# Altium PCB LeVentilateur.PcbDoc (part 1 of 2)
Units mm, origin at the board's own origin, x right, y up, seen from the top; angles counter-clockwise.
Board outline 207.39 x 152.65 mm, 2 copper layers (Top Layer, Bottom Layer); 178 components, 121 nets, 579 pads, 104 vias.
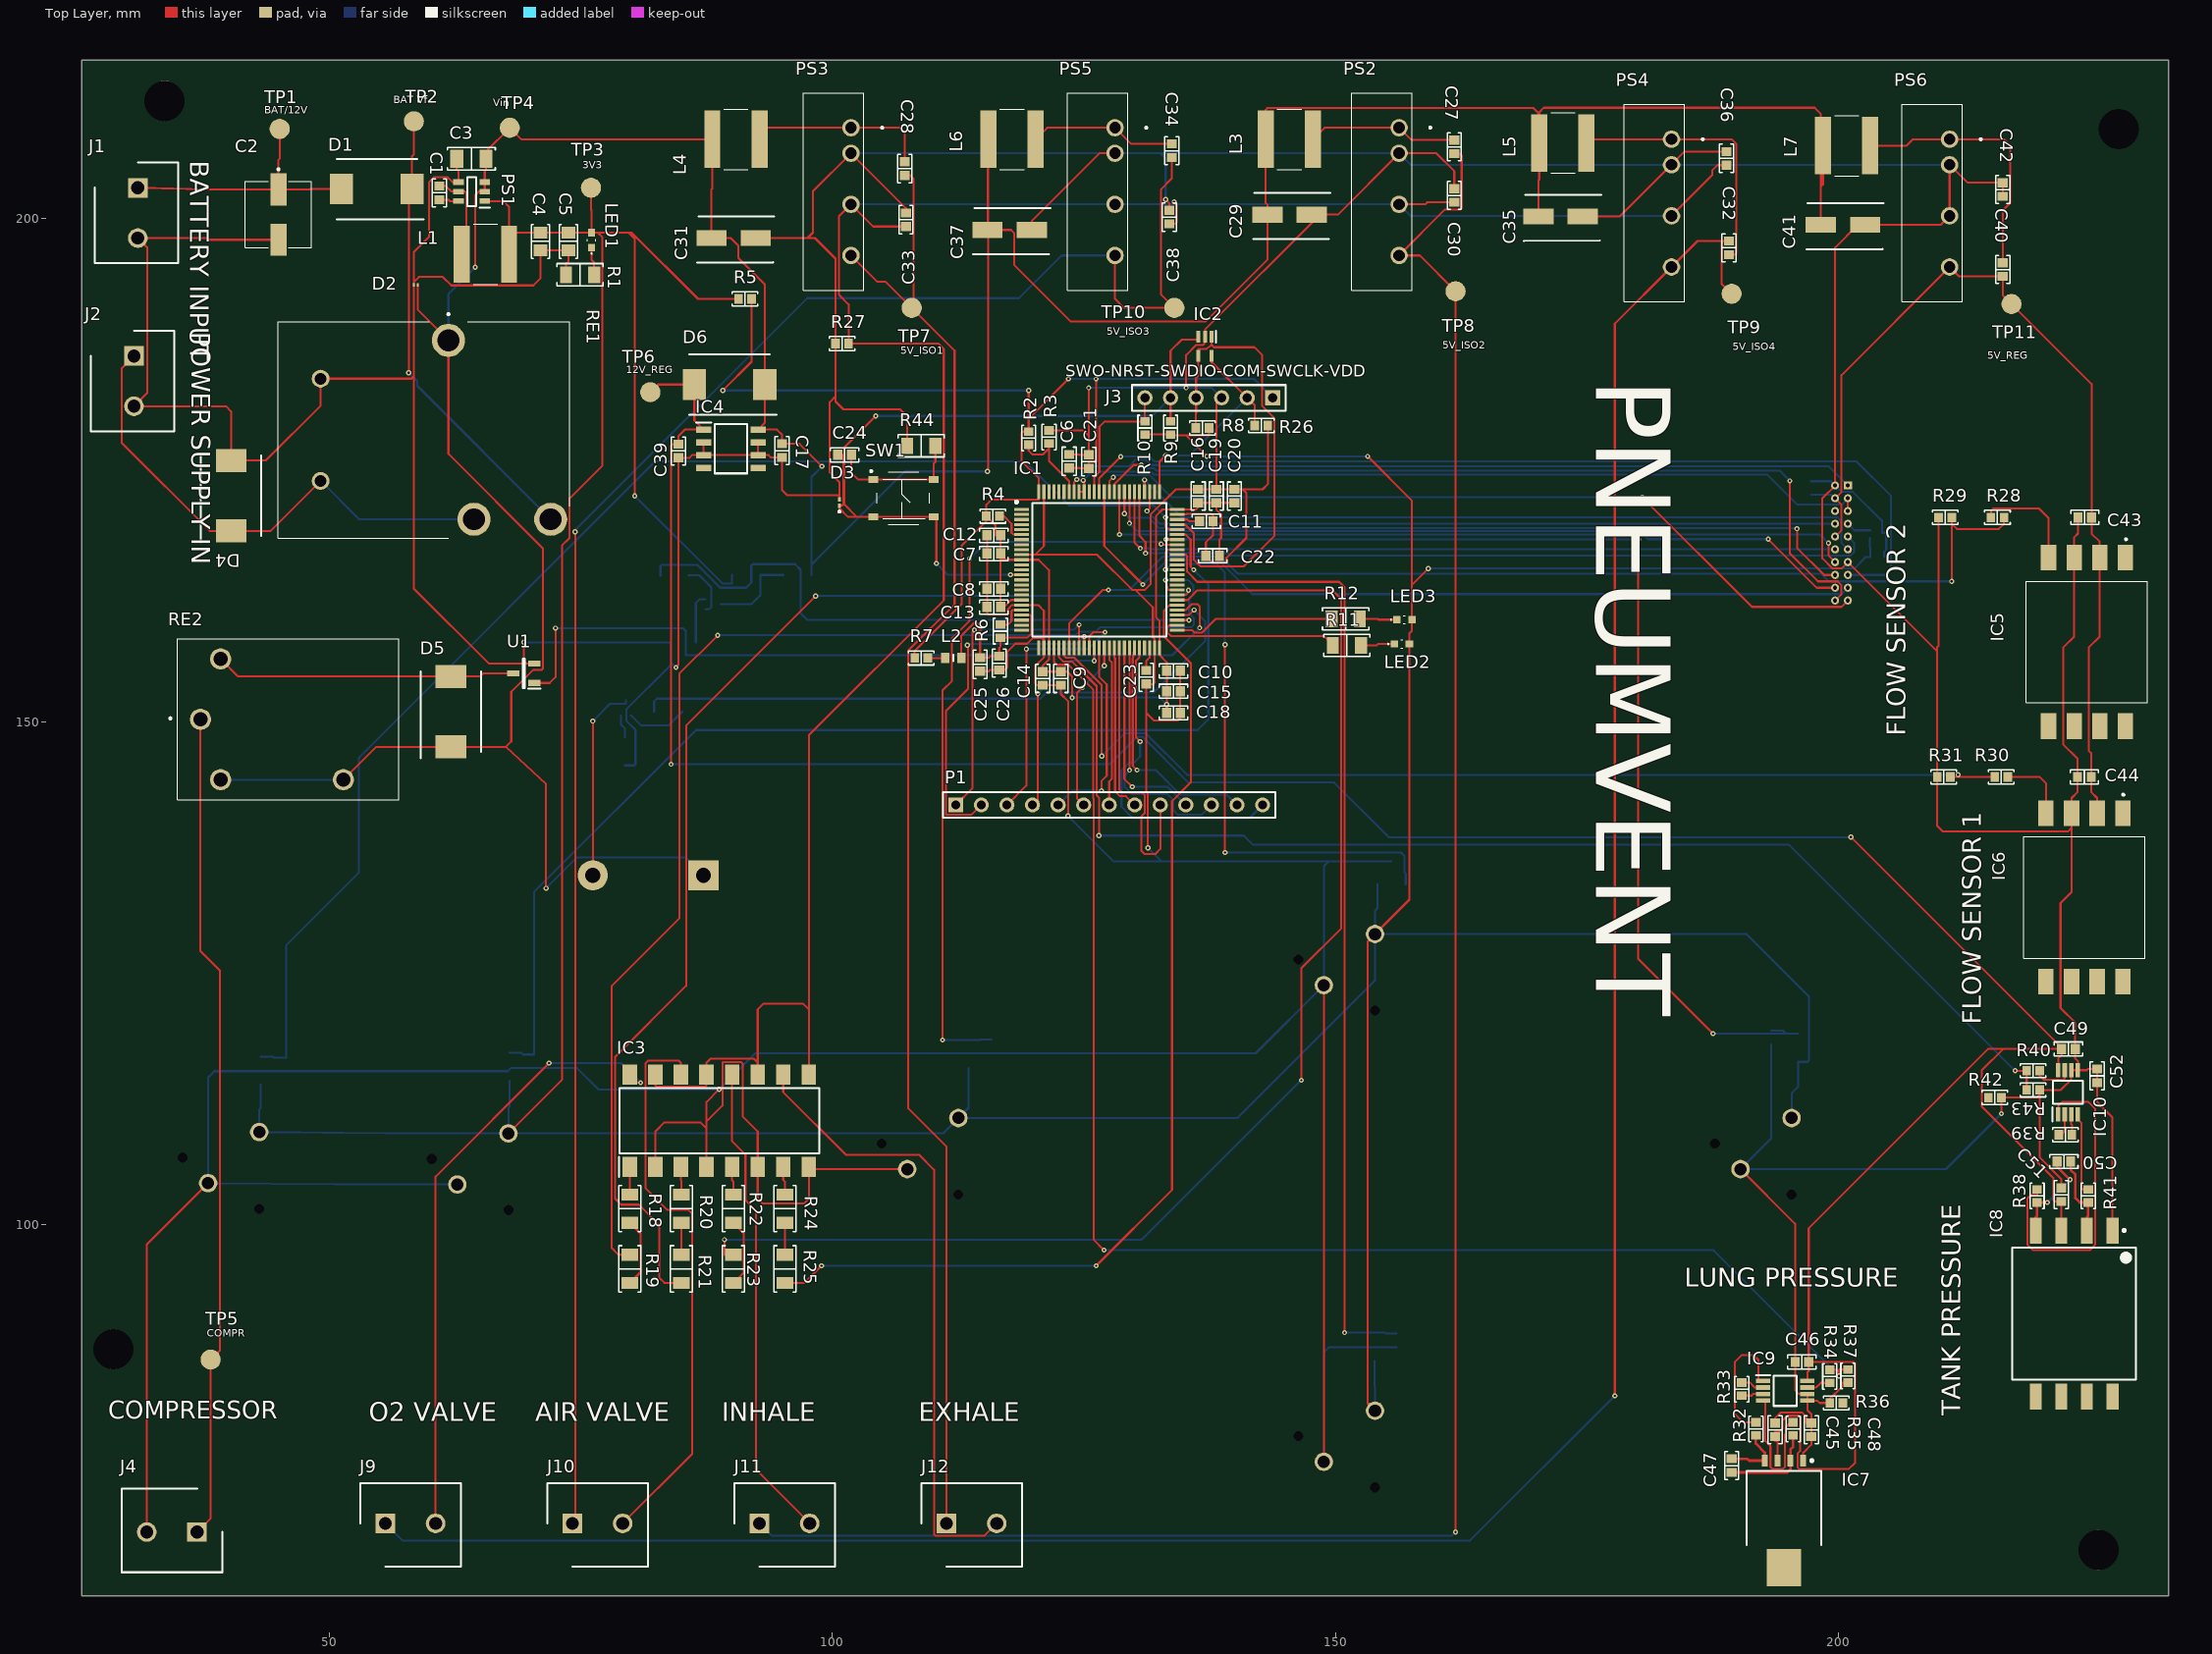
[diagram p0: Top Layer view]
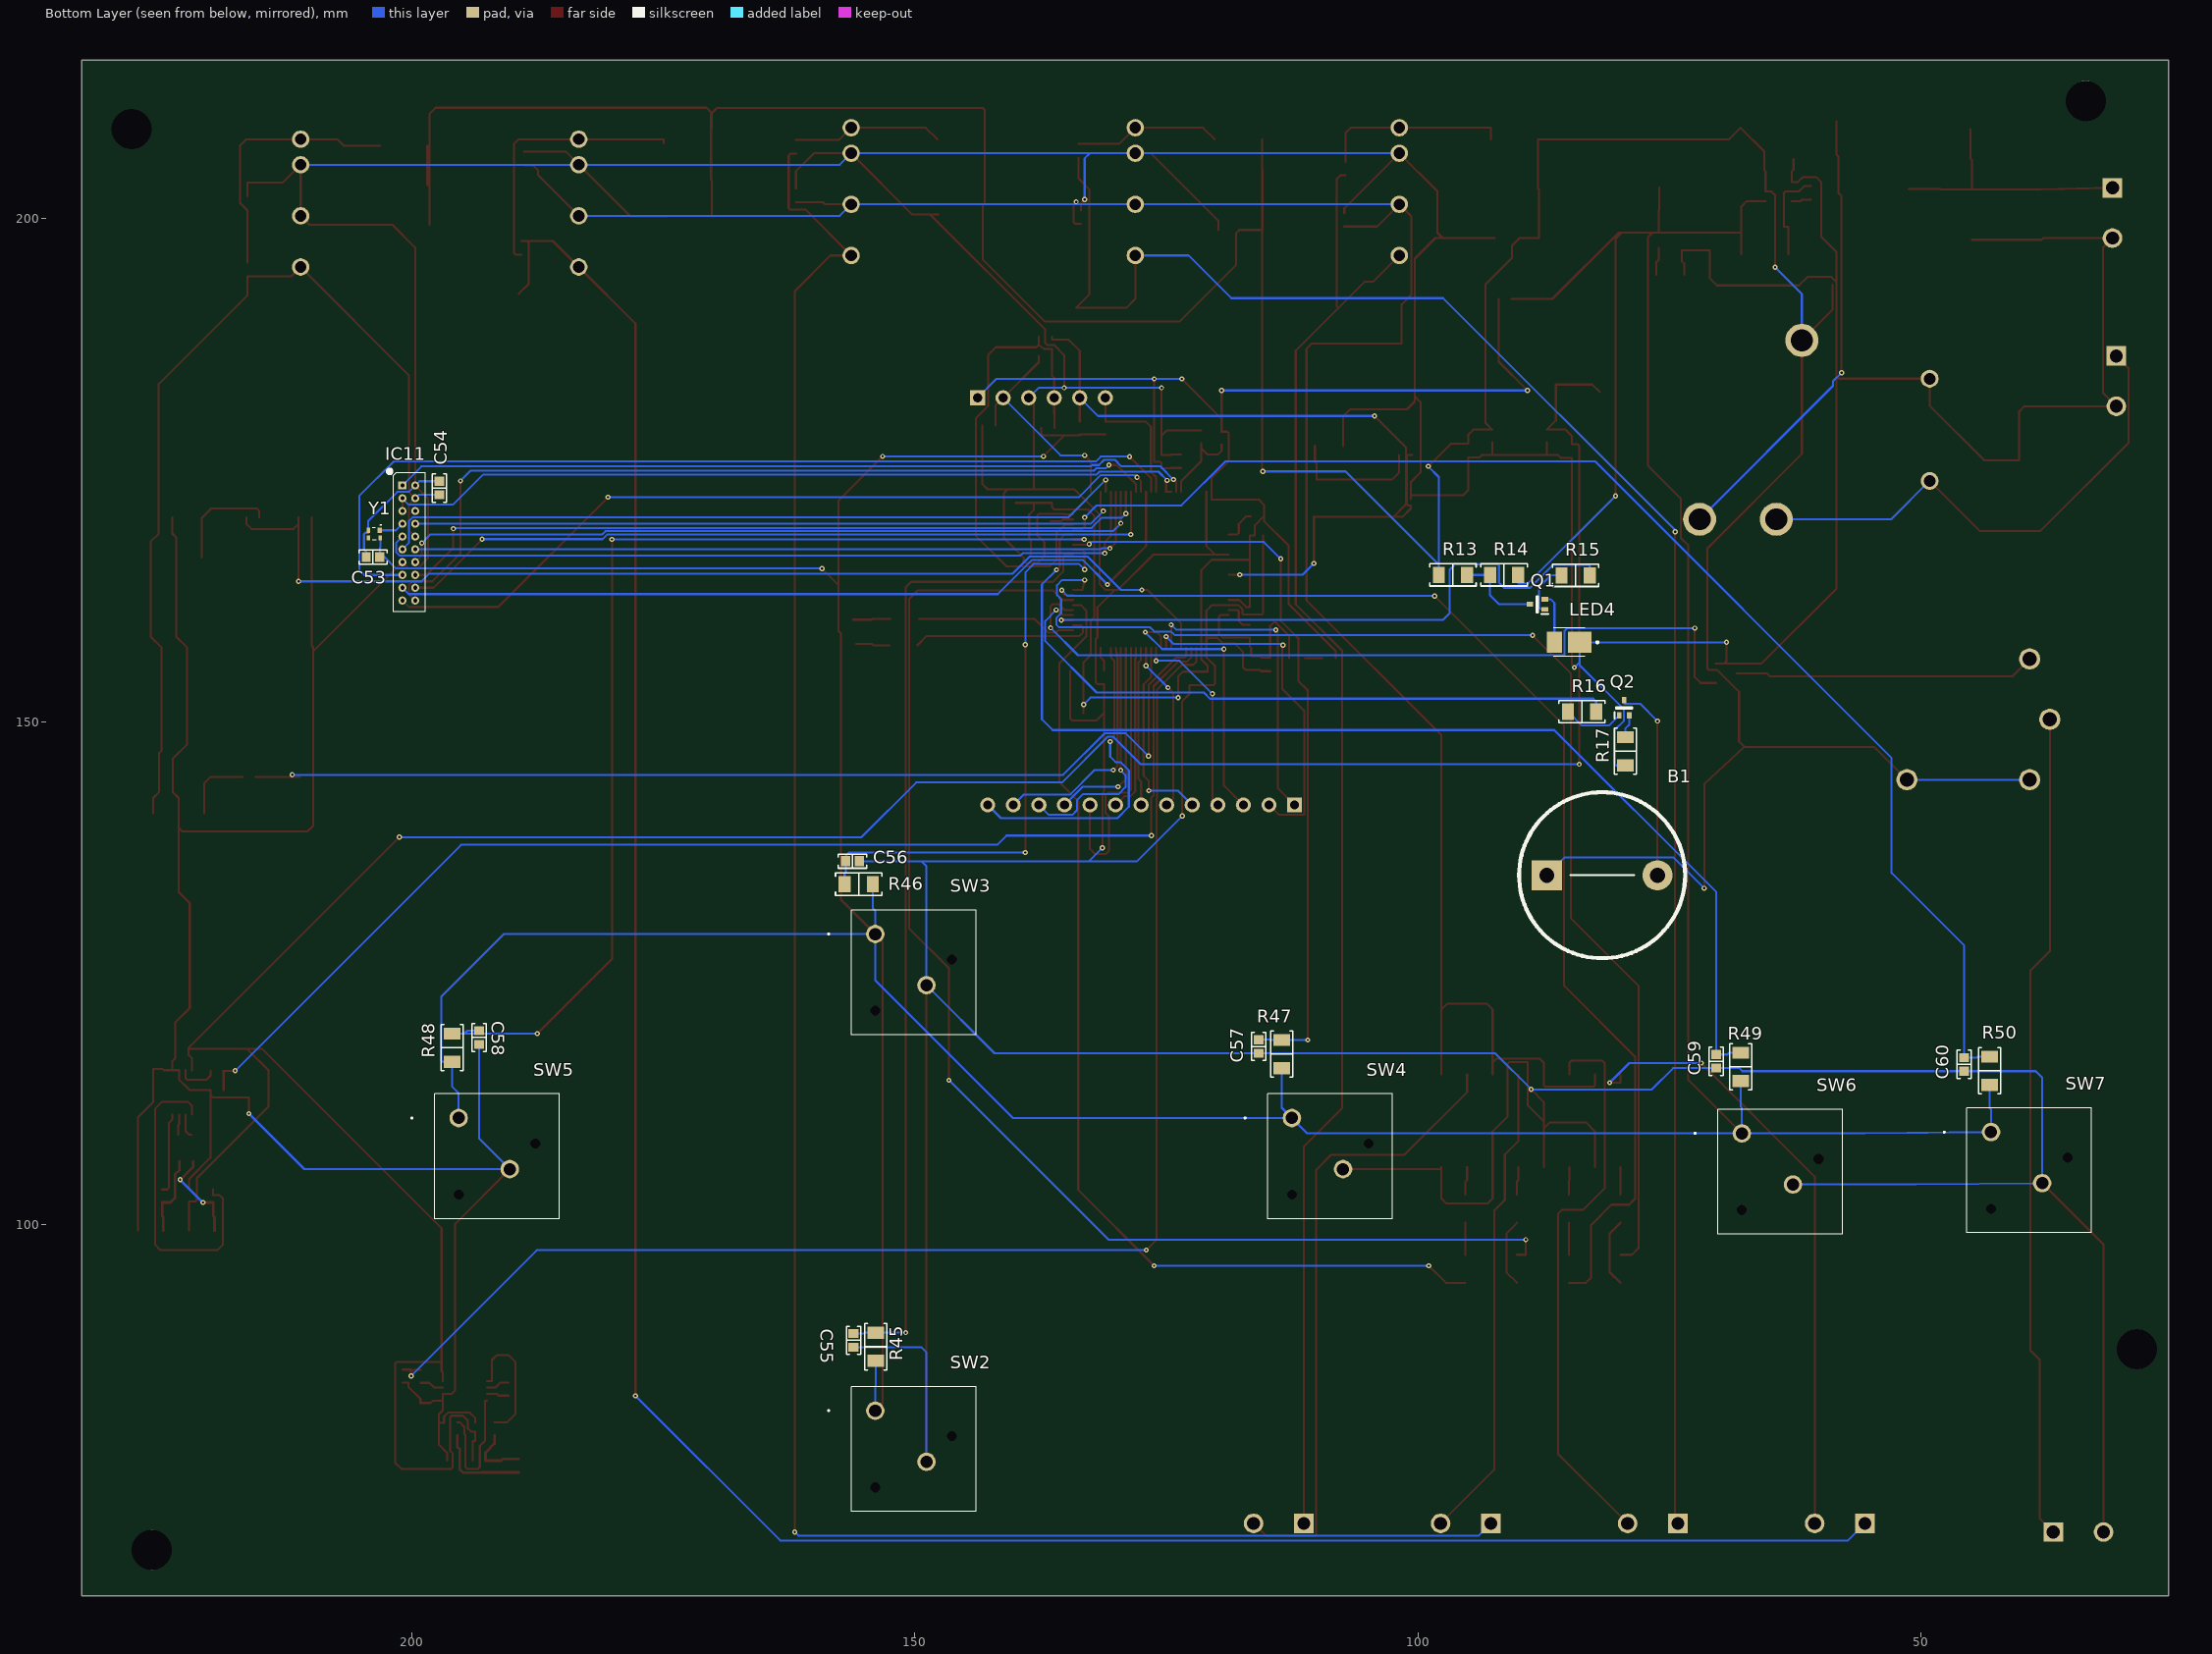
[diagram p1: Bottom Layer view, seen from below]
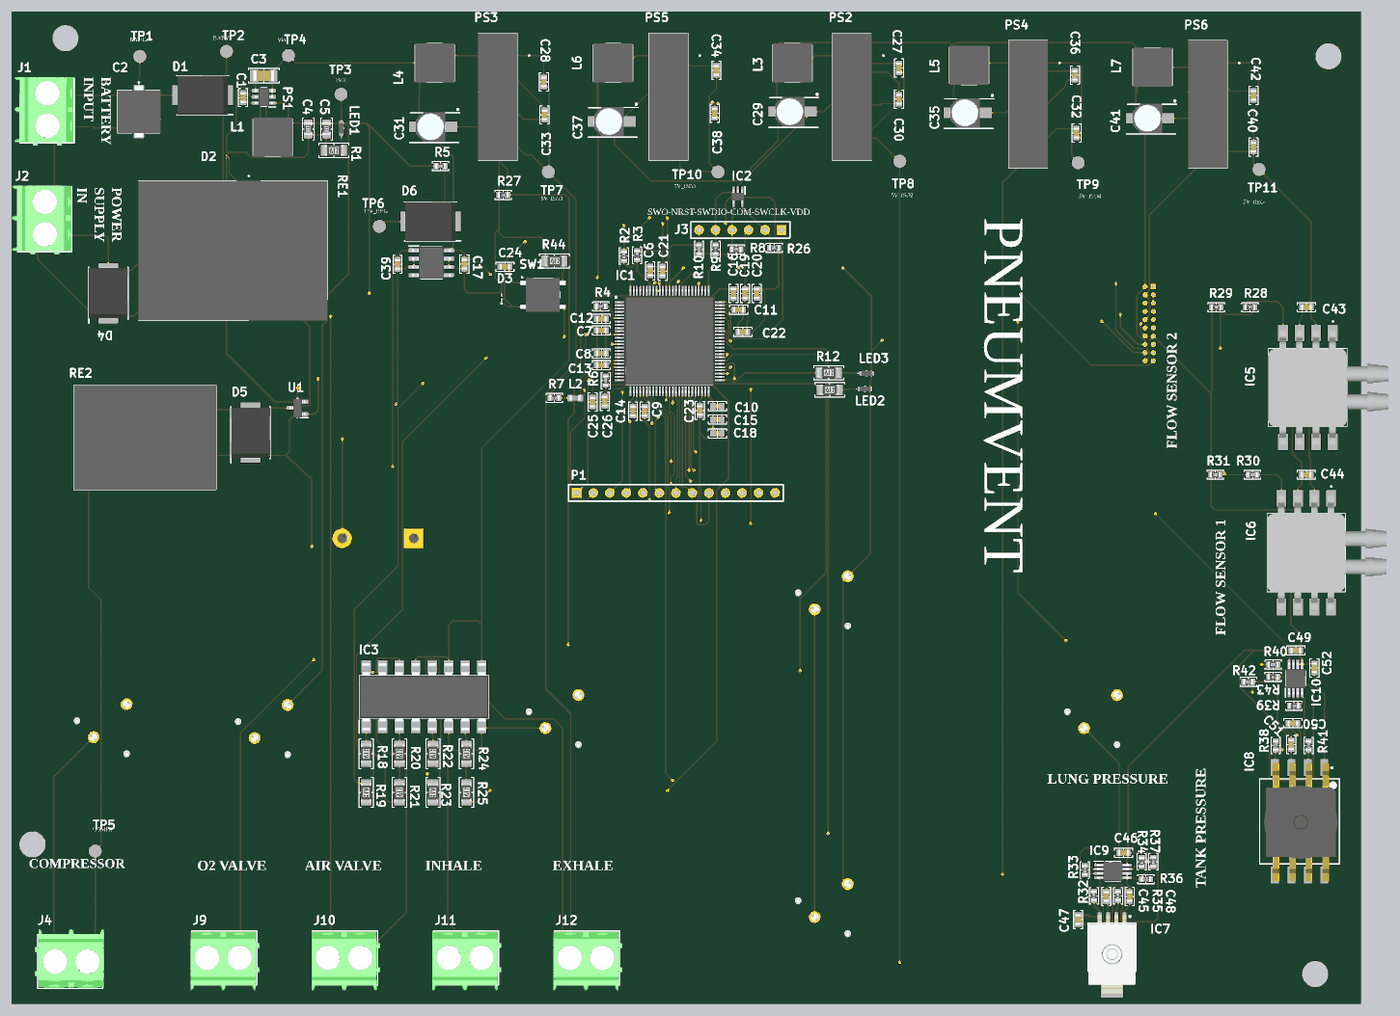
[diagram p3: 3D render of the assembled board from above, using the file's embedded part models]
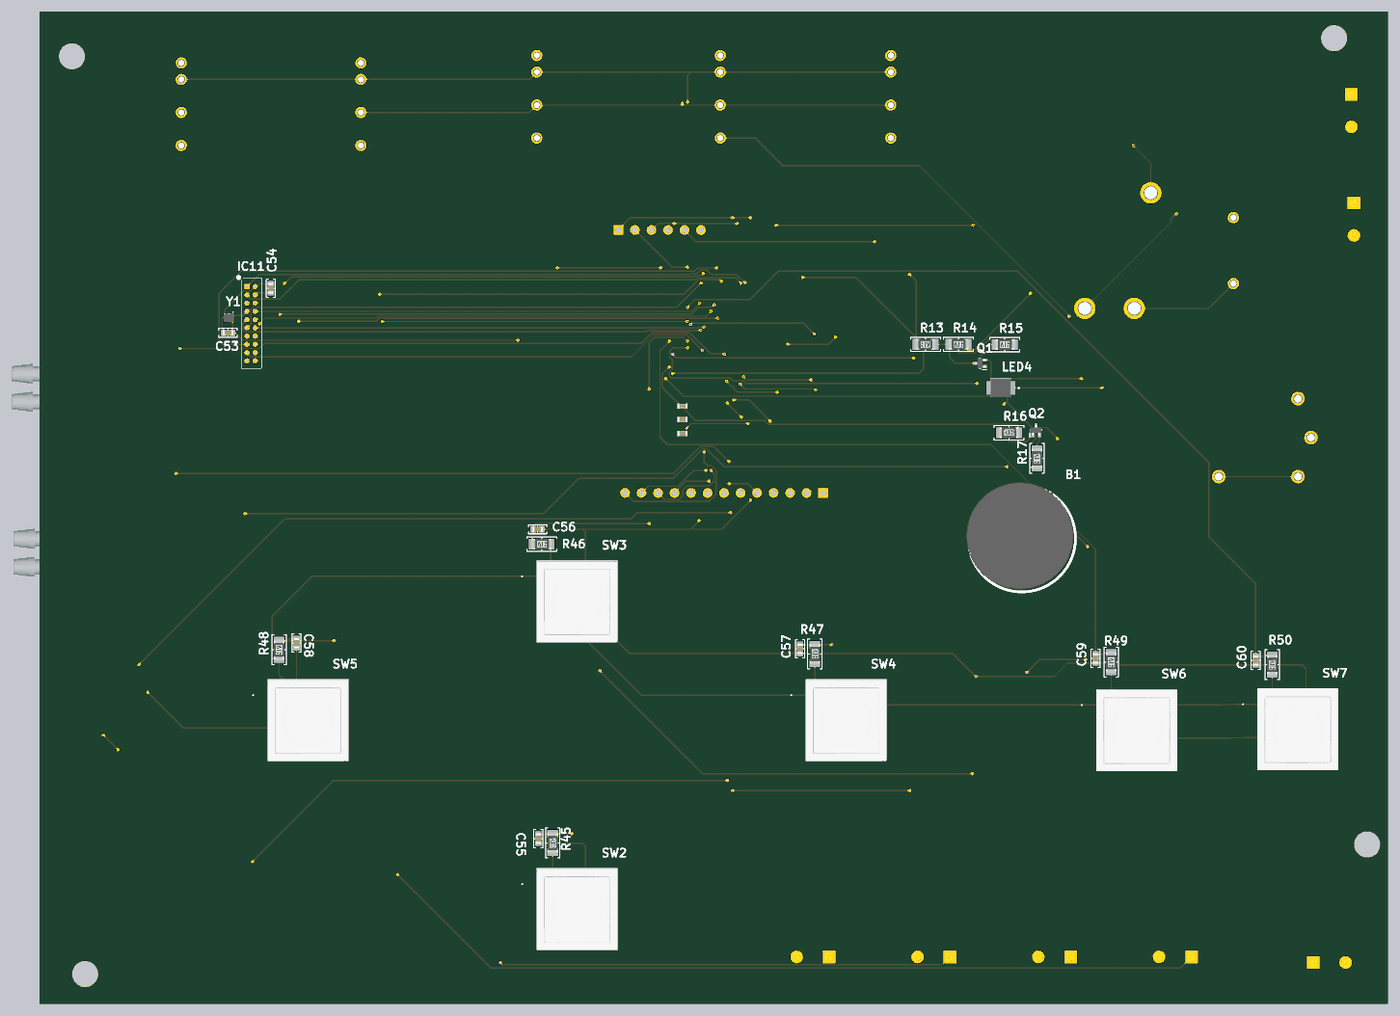
[diagram p4: 3D render of the assembled board from below, using the file's embedded part models]

## Layer stack, top to bottom
Top Solder: solder mask 0.0102, Solder Resist, Dk 3.5
Top Layer: signal copper 0.0356
Dielectric 1: dielectric 0.32, FR-4, Dk 4.8
Bottom Layer: signal copper 0.0356
Bottom Solder: solder mask 0.0102, Solder Resist, Dk 3.5

## Board outline
25.4,63.119 232.791,63.119 232.791,215.773 25.4,215.773

## Design rules (kind name [scope] priority, off if disabled: settings)
Clearance [All] p1: gap=0.127 ignorepadtopadclearanceinfootprint=TRUE
DiffPairsRouting [InDifferentialPairClass('USB')] p1: maxlimit=0.254 minlimit=0.127 mostfreqgap=0.127 toplayer_minwidth=0.127 toplayer_maxwidth=0.127 toplayer_prefwidth=0.127 bottomlayer_minwidth=0.127 bottomlayer_maxwidth=0.127 bottomlayer_prefwidth=0.127 maxuncoupledlength=12.7
HoleSize [All] p1: absolutevalues=TRUE maxlimit=7.62 minlimit=0.2 maxpercent=80.000 minpercent=20.000
MinimumAnnularRing [All] p1: minimumring=0.076
PlaneConnect [All] p1: planeconnectstyle=Direct reliefexpansion=0.508 reliefentries=4 reliefconductorwidth=0.254 reliefairgap=0.254
PolygonConnect [All] p1: connectstyle=Direct reliefconductorwidth=0.254 reliefentries=4 polygonreliefangle="90 Angle" airgapwidth=0.254
RoutingVias [All] p1: holewidth=0.229 width=0.508 viastyle="Through Hole" minholewidth=0.2 minwidth=0.45 maxholewidth=7.62 maxwidth=7.62
SilkToSilkClearance [All] p1: silktosilkclearance=0.127
SilkToSolderMaskClearance [IsPad] p1: minsilkscreentomaskgap=0.051 clearancetoexposedcopper=TRUE
SolderMaskExpansion [All] p1: expansion=0.102
ViasUnderSMD [All] p1: allowed=TRUE
Width [All] p1: maxlimit=0.889 minlimit=0.127 preferedwidth=0.203
25 further rules are at their usual default settings.

## Classes and differential pairs
component class "User Interface": C53 C54 C55 C56 C57 C58 C59 C60 IC11 R45 R46 R47 R48 R49 R50 SW2 SW3 SW4 SW5 SW6 SW7 Y1
component class Sensors: C43 C44 C45 C46 C47 C48 C49 C50 C51 C52 IC5 IC6 IC7 IC8 IC9 IC10 R28 R29 R30 R31 R32 R33 R34 R35 R36 R37 R38 R39 R40 R41 R42 R43
component class MCU: C6 C7 C8 C9 C10 C11 C12 C13 C14 C15 C16 C18 C19 C20 C21 C22 C23 C24 C25 C26 D3 IC1 IC2 J3 L2 LED2 LED3 P1 R2 R3 R4 R6 R7 R8 R9 R10 R11 R12 R26 R44 SW1
component class ALARM: B1 LED4 Q1 Q2 R13 R14 R15 R16 R17
component class Actuators: D5 IC3 J4 J9 J10 J11 J12 R18 R19 R20 R21 R22 R23 R24 R25 RE2 TP5 U1
component class Power: C1 C2 C3 C4 C5 C17 C27 C28 C29 C30 C31 C32 C33 C34 C35 C36 C37 C38 C39 C40 C41 C42 D1 D2 D4 D6 IC4 J1 J2 L1 L3 L4 L5 L6 L7 LED1 M1 M2 PS1 PS2 PS3 PS4 PS5 PS6 R1 R5 R27 RE1 TP1 TP2 TP3 TP4 TP6 TP7 TP8 TP9 TP10 TP11
differential pair TP_VOUT: +TP_VOUT_P -TP_VOUT_N
differential pair LP_VOUT: +LP_VOUT_P -LP_VOUT_N

## Components (designator, comment, footprint, x,y, rotation, side; value= is the part's Value field where it differs from the comment)
B1 "Buzzer" BUZZER 87.2,134.747 r180 bottom
C1 "0.1uF" "CAP 0603/1608" 60.96,202.565 r90 top
C2 "47uF" EEE1HA470XP 44.958,200.406 r0 top
C3 "10uF" "CAP 1206/3216" 64.135,205.946 r0 top
C4 "22uF" "RES 0805/2012" 70.993,197.739 r90 top
C5 "22uF" "RES 0805/2012" 73.787,197.739 r90 top
C6 "0.1uF" "CAP 0603/1608" 123.545,175.895 r90 top
C7 "0.1uF" "CAP 0603/1608" 116.045,166.725 r180 top
C8 "0.1uF" "CAP 0603/1608" 116.045,163.213 r180 top
C9 "0.1uF" "CAP 0603/1608" 122.708,154.305 r270 top
C10 "0.1uF" "CAP 0603/1608" 133.898,155.067 r0 top
C11 "2.2uF" "CAP 0603/1608" 137.16,169.926 r0 top
C12 "0.1uF" "CAP 0603/1608" 116.045,168.529 r180 top
C13 "0.1uF" "CAP 0603/1608" 116.045,161.408 r180 top
C14 "0.1uF" "CAP 0603/1608" 120.904,154.305 r270 top
C15 "0.1uF" "CAP 0603/1608" 133.898,153.035 r0 top
C16 "0.1uF" "CAP 0603/1608" 136.345,172.43 r90 top
C17 "0.33uF" "CAP 0603/1608" 94.996,176.951 r270 top
C18 "0.1uF" "CAP 0603/1608" 133.898,150.876 r0 top
C19 "0.1uF" "CAP 0603/1608" 138.15,172.43 r90 top
C20 "0.1uF" "CAP 0603/1608" 139.954,172.43 r90 top
C21 "0.1uF" "CAP 0603/1608" 125.476,175.855 r90 top
C22 "4.7uF" "CAP 0603/1608" 137.795,166.497 r180 top
C23 "2.2uF" "CAP 0603/1608" 131.191,154.429 r90 top
C24 "0.1uF" "CAP 0603/1608" 101.219,176.53 r180 top
C25 "0.1uF" "CAP 0603/1608" 114.681,155.705 r270 top
C26 "1uF" "CAP 0603/1608" 116.586,155.829 r270 top
C27 "2.2nF" "CAP 0603/1608" 161.798,207.137 r270 top
C28 "2.2nF" "CAP 0603/1608" 107.188,204.978 r270 top
C29 "6.8UF" CAPAE430X550N 145.034,200.406 r0 top
C30 "1nF" "CAP 0603/1608" 161.798,202.311 r270 top
C31 "6.8UF" CAPAE430X550N 89.789,198.073 r0 top
C32 "2.2nF" "CAP 0603/1608" 189.103,197.104 r90 top
C33 "1nF" "CAP 0603/1608" 107.315,199.898 r270 top
C34 "2.2nF" "CAP 0603/1608" 133.731,206.756 r270 top
C35 "6.8UF" CAPAE430X550N 171.958,200.226 r0 top
C36 "1nF" "CAP 0603/1608" 188.849,205.994 r270 top
C37 "6.8UF" CAPAE430X550N 117.221,198.882 r0 top
C38 "1nF" "CAP 0603/1608" 133.477,200.152 r270 top
C39 "0.1uF" "CAP 0603/1608" 84.709,176.911 r270 top
C40 "2.2nF" "CAP 0603/1608" 216.301,194.945 r270 top
C41 "6.8UF" CAPAE430X550N 200.025,199.39 r0 top
C42 "1nF" "CAP 0603/1608" 216.301,202.893 r90 top
C43 "0.1uF" "CAP 0603/1608" 224.449,170.307 r180 top
C44 "0.1uF" "CAP 0603/1608" 224.409,144.526 r180 top
C45 "0.1uF" "CAP 0603/1608" 193.668,79.629 r90 top
C46 "0.1uF" "CAP 0603/1608" 196.342,86.36 r0 top
C47 "0.1uF" "CAP 0603/1608" 189.357,76.073 r90 top
C48 "0.1uF" "CAP 0603/1608" 197.277,79.629 r90 top
C49 "0.1uF" "CAP 0603/1608" 222.823,117.475 r180 top
C50 "0.1uF" "CAP 0603/1608" 222.377,106.299 r180 top
C51 "0.1uF" "CAP 0603/1608" 222.123,102.997 r270 top
C52 "0.1uF" "CAP 0603/1608" 225.679,114.808 r270 top
C53 "0.1uF" "CAP 0603/1608" 203.835,166.37 r0 bottom
C54 "0.1uF" "CAP 0603/1608" 197.231,173.228 r90 bottom
C55 "0.1uF" "CAP 0603/1608" 156.083,88.519 r270 bottom
C56 "0.1uF" "CAP 0603/1608" 156.192,136.144 r180 bottom
C57 "0.1uF" "CAP 0603/1608" 115.824,117.729 r270 bottom
C58 "0.1uF" "CAP 0603/1608" 193.294,118.618 r270 bottom
C59 "0.1uF" "CAP 0603/1608" 70.358,116.253 r270 bottom
C60 "0.1uF" "CAP 0603/1608" 45.72,115.951 r270 bottom
D1 "SK520TR" DIOM8060X295N 54.737,202.946 r180 top
D2 "DF2B26M4SL,L3F" TVS 58.547,193.421 r180 top
D3 "ESDALC6V1-1U2" ESDALC6V11U2 100.711,171.45 r90 top
D4 "SK520TR" DIOM8060X295N 40.259,172.466 r90 top
D5 "SK520TR" DIOM8060X295N 62.103,151.003 r90 top
D6 "SK520TR" DIOM8060X295N 89.789,183.515 r180 top
IC1 "STM32F401VCT6" QFP50P1600X1600X160-100N 126.524,165.1 r0 top
IC2 "ESDALC6V1W5" SOT65P210X110-5N 137.033,187.325 r270 top
IC3 "LTV-847S" SOP254P1031X450-16N 88.773,110.355 r90 top
IC4 "UA78L12ACD" SOIC127P600X175-8N 89.916,177.136 r0 top
IC5 "MPXV7002DPT1" MPXV7002DPT1 227.838,157.943 r90 top
IC6 "MPXV7002DPT1" MPXV7002DPT1 227.584,132.543 r90 top
IC7 "50KPA" DPAK127P1219X1008-5N 194.564,70.612 r270 top
IC8 "100KPA" SOP127P600-8N 223.393,91.186 r270 top
IC9 "IA" SOP65P490X110-8N 194.691,83.506 r0 top
IC10 "IA" SOP65P490X110-8N 222.783,113.17 r90 top
IC11 "LCD" DIP20 200.914,173.482 r180 bottom
J1 "2POS TERM" SHDR2W110P0X500_1X2_1000X830X1140P 30.988,203.073 r270 top
J2 "2POS TERM" SHDR2W110P0X500_1X2_1000X830X1140P 30.607,186.356 r270 top
J3 "Header 6" HDR1X6 143.764,182.196 r180 top
J4 "2POS TERM" SHDR2W110P0X500_1X2_1000X830X1140P 36.877,69.469 r180 top
J9 "2POS TERM" SHDR2W110P0X500_1X2_1000X830X1140P 55.579,70.329 r0 top
J10 "2POS TERM" SHDR2W110P0X500_1X2_1000X830X1140P 74.163,70.329 r0 top
J11 "2POS TERM" SHDR2W110P0X500_1X2_1000X830X1140P 92.748,70.329 r0 top
J12 "2POS TERM" SHDR2W110P0X500_1X2_1000X830X1140P 111.332,70.329 r0 top
L1 "3.9uH" 1255AY100MP3 65.532,196.469 r0 top
L2 "FERRITE" BEADC1608X95N 112.014,156.337 r0 top
L3 "22uH" 1255AY100MP3 145.415,207.899 r0 top
L4 "22uH" 1255AY100MP3 90.424,207.899 r0 top
L5 "22uH" 1255AY100MP3 172.593,207.518 r0 top
L6 "22uH" 1255AY100MP3 117.856,207.899 r0 top
L7 "22uH" 1255AY100MP3 200.787,207.264 r0 top
LED1 "GREEN" 150060GS73220 76.073,197.866 r0 top
LED2 "GREEN" 150060GS73220 156.591,157.734 r270 top
LED3 "RED" 150060GS73220 156.845,160.147 r270 top
LED4 "RED" QBHP686IWKCW 84.963,157.898 r180 bottom
P1 "Header 13" HDR1X13 112.268,141.732 r0 top
PS1 "AP63203WU-7" SOT95P280X100-6N 64.165,202.692 r180 top
PS2 "RFB-0505S" RFB0505S 156.319,209.042 r270 top
PS3 "RFB-0505S" RFB0505S 101.854,209.042 r270 top
PS4 "RFB-0505S" RFB0505S 183.388,207.899 r270 top
PS5 "RFB-0505S" RFB0505S 128.09,209.042 r270 top
PS6 "RFB-0505S" RFB0505S 211.021,207.899 r270 top
Q1 "=\"Part Number\"" SOTFL50P160X70-3N 87.884,161.682 r90 bottom
Q2 "=\"Part Number\"" SOTFL50P160X70-3N 79.502,151.13 r180 bottom
R1 "200R0" "RES 1206/3216" 74.93,194.437 r0 top
R2 "0R0" "RES 0603/1608" 119.507,178.181 r90 top
R3 "10K" "RES 0603/1608" 121.539,178.308 r270 top
R4 "0R0" "RES 0603/1608" 115.951,170.434 r0 top
R5 "0R0" "RES 0603/1608" 91.328,192.024 r0 top
R6 "47R0" "RES 0603/1608" 116.713,159.004 r90 top
R7 "0R0" "RES 0603/1608" 108.839,156.337 r0 top
R8 "10K" "RES 0603/1608" 136.779,179.197 r180 top
R9 "10K" "RES 0603/1608" 133.604,179.197 r90 top
R10 "10K" "RES 0603/1608" 131.064,179.197 r90 top
R11 "200R0" "RES 1206/3216" 151.13,157.607 r0 top
R12 "200R0" "RES 1206/3216" 151.003,160.211 r0 top
R13 "200R0" "RES 1206/3216" 96.52,164.592 r0 bottom
R14 "20R0" "RES 1206/3216" 91.44,164.592 r180 bottom
R15 "20R0" "RES 1206/3216" 84.328,164.543 r180 bottom
R16 "20R0" "RES 1206/3216" 83.693,151.003 r180 bottom
R17 "1K2" "RES 1206/3216" 79.375,147.066 r270 bottom
R18 "200R0" "RES 1206/3216" 79.883,101.6 r90 top
R19 "200R0" "RES 1206/3216" 79.883,95.631 r270 top
R20 "200R0" "RES 1206/3216" 85.019,101.6 r90 top
R21 "200R0" "RES 1206/3216" 85.019,95.631 r90 top
R22 "200R0" "RES 1206/3216" 90.155,101.6 r90 top
R23 "200R0" "RES 1206/3216" 90.155,95.631 r270 top
R24 "200R0" "RES 1206/3216" 95.291,101.6 r90 top
R25 "200R0" "RES 1206/3216" 95.291,95.631 r90 top
R26 "10K" "RES 0603/1608" 142.621,179.451 r180 top
R27 "0R0" "RES 0603/1608" 100.965,187.579 r0 top
R28 "100K0" "RES 0603/1608" 215.773,170.307 r180 top
R29 "200K0" "RES 0603/1608" 210.581,170.307 r0 top
R30 "100K0" "RES 0603/1608" 216.154,144.526 r0 top
R31 "200K0" "RES 0603/1608" 210.439,144.526 r0 top
R32 "100K" "RES 0603/1608" 191.77,79.729 r270 top
R33 "6K1" "RES 0603/1608" 190.373,83.678 r90 top
R34 "100K" "RES 0603/1608" 199.11,84.948 r90 top
R35 "100K" "RES 0603/1608" 195.472,79.729 r270 top
R36 "100K" "RES 0603/1608" 199.771,82.296 r0 top
R37 "100K" "RES 0603/1608" 200.914,84.963 r270 top
R38 "100K" "RES 0603/1608" 219.71,102.87 r270 top